# Altium PCB MB1397.PcbDoc (part 7 of 11)
Units mm, origin at the board's own origin, x right, y up, seen from the top; angles counter-clockwise.
Board outline 118.24 x 172.86 mm, 6 copper layers (Top Layer, L2_GND, L3_VCC, L4_SIG, L5_GND, Bottom Layer), stack 1.631 mm thick; 819 components, 632 nets, 2875 pads, 1523 vias.
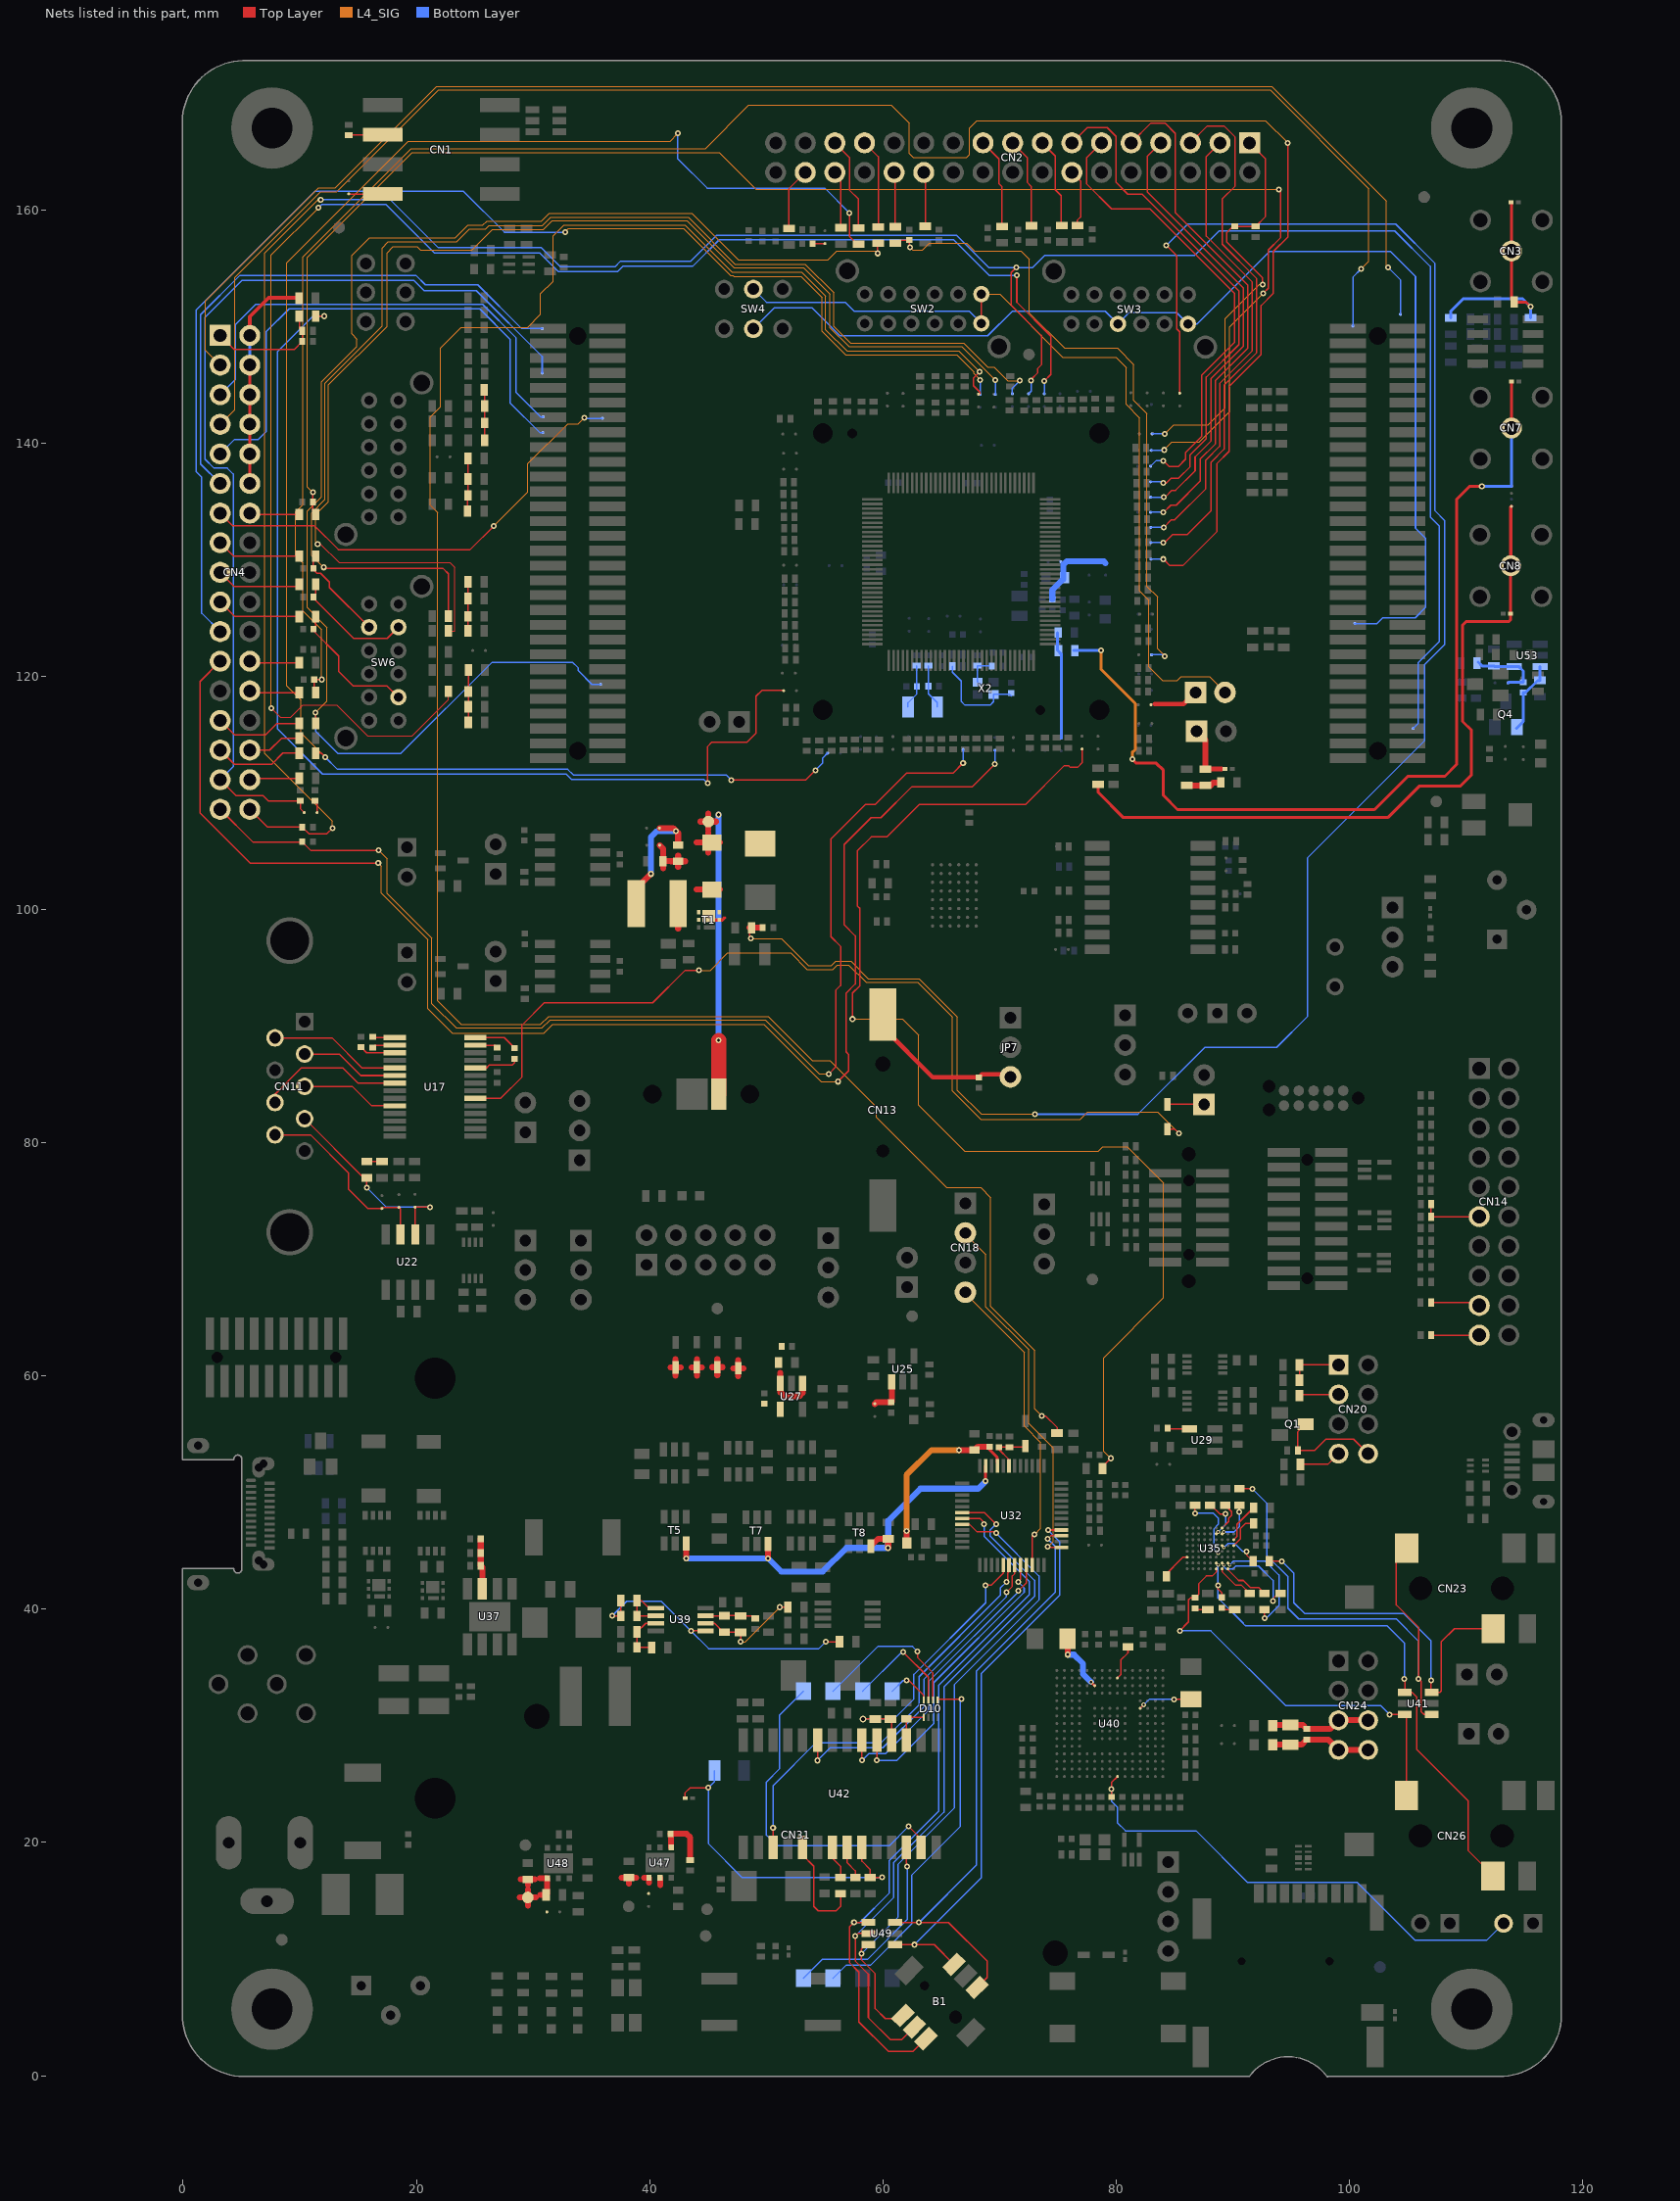
[diagram p11: the nets of this part, all layers, seen from the top]

## Via types
v1: diameter 0.508, hole 0.254, Top Layer to Bottom Layer, tented both sides, 1330 vias
v2: diameter 0.406, hole 0.203, Top Layer to Bottom Layer, tented both sides, 115 vias
v3: diameter 0.508, hole 0.254, Top Layer to Bottom Layer, 33 vias
v4: diameter 0.305, hole 0.152, Top Layer to Bottom Layer, tented both sides, 26 vias
v5: diameter 0.61, hole 0.305, Top Layer to Bottom Layer, tented both sides, 14 vias
v6: diameter 0.61, hole 0.33, Top Layer to Bottom Layer, tented both sides, 2 vias
v7: diameter 0.381, hole 0.203, Top Layer to Bottom Layer, tented both sides, 2 vias
v8: diameter 0.508, hole 0.203, Top Layer to Bottom Layer, tented both sides, 1 vias

## Nets (pads, with @x,y where several pads share a name; then routed paths per layer and width w, separated by ;. In a path a pad name is that pad's centre, name@x,y a point inside that pad or via, vN(x,y) a via of type N, cw(c..) or ccw(c..) an arc to the next point about the centre after c; other vN are vias at no path point) (continued)
MC1_MC2_PFCpwm: R11.1 R151.1 SB118.1 | length 149.8
  Top Layer w0.127: R151.1@11.36,113.41 11.834,113.408 v1(12.164,113.078) ; v1(47.013,111.097) 53.363,111.097 v1(54.201,111.935) ; v1(57.122,159.713) 57.122,157.716 R11.1@57.884,156.954
  L4_SIG w0.102: v1(12.164,113.078) 10.107,115.136 10.107,117.955 8.887,119.174 8.887,155.471 19.301,165.885 41.755,165.885 v1(42.415,166.545)
  Bottom Layer w0.127: v1(12.164,113.078) 13.221,112.022 32.977,112.022 33.47,111.529 46.581,111.529 v1(47.013,111.097) ; v1(42.415,166.545) 42.415,164.361 44.93,161.846 55.014,161.846 57.122,159.738 v1(57.122,159.713) ; v1(54.201,111.935) 54.836,112.57 54.836,112.994 SB118.1@55.253,113.411
MC1_MC2_PFCsync: R8.1 R126.1 SB103.1 | length 123.5
  Top Layer w0.127: R126.1@11.36,115.951 v1(11.359,116.888) ; v1(59.535,156.253) R8.1@59.535,156.954
  L4_SIG w0.102: v1(11.359,116.888) 12.339,117.869 12.339,124.181 10.64,125.88 10.64,134.16 11.859,135.38 11.859,145.24 14.91,148.29 14.91,148.92 14.45,149.38 14.45,156.069 15.961,157.579 23.315,157.579 24.407,158.671 25.702,158.671 26.058,159.027 30.706,159.027 31.392,159.713 43.609,159.713 47.61,155.712 55.306,155.712 56.055,156.461 59.327,156.461 v1(59.535,156.253)
  Bottom Layer w0.127: v1(11.359,116.888) 11.359,115.28 13.266,113.373 18.656,113.373 26.49,121.206 33.373,121.206 33.881,120.698 33.881,120.47 35.047,119.304 SB103.1@35.796,119.304
MC1_PWM_1H: CN2.3 SB78.1 | length 39.5
  Top Layer w0.127: v1(84.071,132.766) 84.704,133.398 85.011,133.398 87.678,136.065 87.678,138.529 88.872,139.723 88.872,145.113 91.666,147.907 91.666,153.794 87.729,157.731 87.729,164.564 CN2.3@88.9,165.735
  Bottom Layer w0.127: SB78.1@82.967,132.766 v1(84.071,132.766)
MC1_PWM_1L: CN2.5 SB79.1 | length 46.5
  Top Layer w0.127: v1(84.046,131.47) 84.15,131.47 84.808,132.128 86.078,132.128 88.135,134.186 88.135,138.351 89.253,139.469 89.253,144.955 92.047,147.749 92.047,154.099 89.101,157.046 89.101,160.932 90.206,162.037 90.206,166.228 89.253,167.18 87.805,167.18 CN2.5@86.36,165.735
  Bottom Layer w0.127: SB79.1@82.967,131.47 v1(84.046,131.47)
MC1_PWM_2H: CN2.7 SB76.1 | length 38.5
  Top Layer w0.127: CN2.7@83.82,165.735 82.649,164.564 82.649,161.541 90.904,153.286 90.904,148.288 88.11,145.494 88.11,140.155 86.764,138.808 86.764,137.615 85.087,135.938 84.775,135.938 84.191,135.357 v1(84.074,135.357)
  Bottom Layer w0.127: SB76.1@82.95,135.357 SB76.1@82.95,135.357 v1(84.074,135.357)
MC1_PWM_2L: CN2.9 SB77.1 | length 44.3
  Top Layer w0.127: CN2.9@81.28,165.735 82.979,167.434 84.173,167.434 85.062,166.545 85.062,159.763 91.285,153.54 91.285,148.13 88.491,145.336 88.491,139.901 87.196,138.605 87.196,136.726 85.138,134.668 84.681,134.668 84.074,134.061 v1(84.021,134.061)
  Bottom Layer w0.127: SB77.1@82.949,134.061 v1(84.021,134.061)
MC1_PWM_3H: CN2.11 SB73.1 | length 40.3
  Top Layer w0.127: CN2.11@78.74,165.735 77.442,164.437 77.442,162.227 79.601,160.068 82.903,160.068 90.142,152.829 90.142,148.638 87.348,145.844 87.348,140.586 85.951,139.189 85.951,138.605 85.316,137.97 84.552,137.97 v1(84.046,138.478)
  Bottom Layer w0.127: SB73.1@82.949,138.016 83.414,138.478 v1(84.046,138.478)
MC1_PWM_3L: CN2.13 SB74.1 | length 43.8
  Top Layer w0.127: CN2.13@76.2,165.735 77.518,167.053 79.22,167.053 79.982,166.291 79.982,162.354 80.998,161.338 82.217,161.338 90.523,153.032 90.523,148.445 87.729,145.651 87.729,140.383 86.332,138.986 86.332,137.97 85.354,136.992 84.719,136.992 84.3,136.573 v1(84.046,136.573)
  Bottom Layer w0.127: SB74.1@82.945,136.679 83.942,136.677 v1(84.046,136.573)
MC1_STOP: C1.2 CN2.1 R9.1 SB69.1 | length 35.8
  Top Layer w0.127: CN2.1@91.44,165.735 92.809,164.363 92.809,159.428 R9.1@91.945,158.565 89.992,158.565 89.482,158.054 89.482,157.223 92.555,154.15 v1(92.555,153.591)
  L4_SIG w0.102: v1(84.173,140.787) 84.938,141.552 87.881,141.552 89.355,143.025 89.355,150.67 92.276,153.591 v1(92.555,153.591)
  Bottom Layer w0.127: SB69.1@83.078,140.788 v1(84.173,140.787)
MC1_Temp: C5.2 R7.2 SB100.1 | length 55.9
  Top Layer w0.127: R7.2@61.059,156.957 61.159,157.056 61.498,157.394 C5.2@62.27,157.395 62.271,156.817 v1(62.329,156.759)
  L4_SIG w0.102: v1(62.329,156.759) 62.55,156.538 63.396,156.538 63.98,157.122 67.183,157.122 67.843,156.461 71.854,156.461 72.565,155.75 72.565,151.127 75.562,148.13 80.109,148.13 81.506,146.733 81.506,143.634 82.624,142.517 82.624,127.709 83.538,126.794 83.538,122.347 v1(84.173,121.714)
  Bottom Layer w0.127: SB100.1@83.022,121.841 84.049,121.841 v1(84.173,121.714)
MC2_Ain: R103.2 SB60.1 | length 108.3
  Top Layer w0.102: v1(11.529,131.343) 11.76,131.343 13.36,129.743 22.875,129.743 23.298,129.32 23.298,123.879 R103.2@22.751,123.879
  L4_SIG w0.102: v1(11.529,131.343) 11.368,131.504 11.368,133.875 12.464,134.971 12.464,144.984 17.475,149.996 17.475,156.312 18.006,156.842 20.069,156.842 20.345,156.566 24.762,156.566 26.502,158.306 30.899,158.306 31.646,159.052 43.183,159.052 47.206,155.029 53.2,155.029 55.471,152.758 55.471,149.863 57.076,148.257 66.774,148.257 69.06,145.971 69.06,145.969 v1(69.642,145.39)
  Bottom Layer w0.127: SB60.1@69.642,144.178 v1(69.642,145.39)
MC2_Bin: R99.2 SB59.1 | length 109.5
  Top Layer w0.127: v1(12.037,129.334) 12.139,129.233 22.299,129.233 22.751,128.781 R99.2@22.751,125.166
  L4_SIG w0.102: v1(12.037,129.334) 11.021,130.35 11.021,134.01 12.162,135.151 12.162,145.115 17.069,150.022 17.069,156.721 17.596,157.249 23.442,157.249 24.559,158.366 25.931,158.366 26.223,158.659 30.82,158.659 31.519,159.357 43.31,159.357 47.323,155.344 53.317,155.344 55.776,152.885 55.776,149.99 57.203,148.562 66.901,148.562 68.958,146.505 69.543,146.505 70.711,145.336 v1(71.727,145.336)
  Bottom Layer w0.127: SB59.1@71.096,144.216 71.095,144.706 v1(71.727,145.336)
MC2_BusVoltage: C22.1 R77.2 SB72.1 | length 139.7
  Top Layer w0.127: v1(11.118,135.76) 11.118,134.107 R77.2@11.36,133.866 ; v1(92.606,152.829) 93.038,153.261 93.038,156.538 94.079,157.579 94.079,161.618 v1(93.952,161.745)
  L4_SIG w0.102: v1(11.118,135.76) 10.64,136.238 10.64,155.903 19.632,164.894 45.946,164.894 49.096,161.745 v1(93.952,161.745) ; v1(84.112,139.41) 84.78,140.078 87.119,140.078 89.71,142.669 89.71,149.934 v1(92.606,152.829)
  Bottom Layer w0.127: SB72.1@82.999,139.37 84.071,139.37 v1(84.112,139.41)
MC2_Cin: R119.2 SB57.1 | length 140
  Top Layer w0.102: v1(7.544,117.272) 8.331,116.484 9.205,116.484 10.271,117.551 13.162,117.551 15.829,114.884 19.634,114.884 22.751,118.001 R119.2@22.751,118.707
  Top Layer w0.127: v1(71.478,154.381) 71.478,152.062 74.394,149.146 74.394,145.872 v1(73.83,145.308)
  L4_SIG w0.102: v1(7.544,117.272) 7.544,156.108 v1(11.605,160.17)
  Bottom Layer w0.127: v1(11.605,160.17) 11.872,160.437 17.409,160.437 21.562,156.284 30.592,156.284 32.192,154.683 37.234,154.683 37.691,155.141 43.685,155.141 45.971,157.427 66.063,157.427 69.108,154.381 v1(71.478,154.381) ; SB57.1@73.831,144.216 v1(73.83,145.308)
MC2_CurrentA+: C23.2 R86.1 SW6.8 | length 8.4
  Top Layer w0.127: R86.1@11.36,130.302 11.135,130.076 11.135,129.159 11.466,128.826 11.783,128.826 12.545,128.064 12.545,127.607 SW6.8@15.951,124.202
MC2_CurrentB+: C24.2 R92.1 SW6.5 | length 10.4
  Top Layer w0.127: R92.1@11.36,127.889 11.359,126.97 11.135,126.746 11.135,126.721 14.615,123.238 17.488,123.238 SW6.5@18.451,124.202
MC2_CurrentC+: C26.2 R100.1 SW6.2 | length 11.8
  Top Layer w0.127: R100.1@11.36,125.103 11.359,124.27 11.15,124.063 11.09,124.003 11.09,123.977 13.332,121.735 13.332,120.419 14.577,119.174 17.478,119.174 SW6.2@18.451,118.202
MC2_DissipativeBrake: CN4.23 SB112.1 | length 121.9
  Top Layer w0.127: CN4.23@3.175,121.285 1.445,119.555 1.445,108.278 5.738,103.985 v1(16.736,103.985) ; v1(56.131,85.24) 57.059,86.167 57.059,87.579 56.843,87.795 56.843,92.829 57.63,93.616 57.63,97.737 56.67,98.697 56.67,105.559 58.982,107.871 59.817,107.871 62.484,110.538 67.673,110.538 v1(69.604,112.469)
  L4_SIG w0.102: v1(16.736,103.985) 16.99,103.731 16.99,101.42 20.978,97.432 20.978,91.488 23.061,89.405 30.935,89.405 31.671,90.142 49.807,90.142 54.709,85.24 v1(56.131,85.24)
  Bottom Layer w0.127: v1(69.604,112.469) SB112.1@69.604,113.657
MC2_EnA: C37.2 CN4.31 SB32.1 SB52.1 | length 84.9
  Top Layer w0.127: CN4.31@3.175,111.125 4.521,109.776 6.83,109.776 7.285,109.322 C37.2@10.044,109.323 10.043,108.651 SB32.1@10.385,108.312
  Bottom Layer w0.127: CN4.31@3.175,111.125 4.29,112.24 4.29,137.335 3.782,137.843 2.639,137.843 1.877,138.605 1.877,150.772 5.052,153.947 19.784,153.947 20.673,153.058 25.143,153.058 30.785,147.417 SB52.1@30.785,145.999
MC2_EnB: C42.2 CN4.33 SB108.1 | length 103.3
  Top Layer w0.127: CN4.33@3.175,108.585 5.969,105.791 10.218,105.791 10.93,105.077 v1(16.761,105.077) ; v1(55.344,85.9) 55.979,86.535 55.979,93.109 56.36,93.49 56.36,96.843 55.535,97.668 55.535,106.041 58.508,109.014 59.342,109.014 62.009,111.681 65.989,111.681 v1(66.878,112.57)
  L4_SIG w0.102: v1(16.761,105.077) 17.498,104.341 17.498,101.369 21.333,97.533 21.333,91.925 23.421,89.837 30.782,89.837 31.468,90.523 49.908,90.523 54.531,85.9 v1(55.344,85.9)
  Bottom Layer w0.127: v1(66.878,112.57) SB108.1@66.878,113.715
MC2_EnIndex: C39.2 CN4.34 SB58.1 SB106.1 | length 222.3
  Top Layer w0.127: CN4.34@5.715,108.585 7.239,107.058 C39.2@10.218,107.06 10.787,106.487 12.304,106.487 v1(12.799,106.982) ; v1(71.422,155.039) 70.99,154.607 70.99,151.813 73.581,149.222 73.581,146.708 73.276,146.403 73.276,146.022 72.707,145.453 v1(72.707,145.362)
  L4_SIG w0.102: v1(11.783,160.856) 11.58,160.856 7.008,156.284 7.008,113.373 12.799,107.582 v1(12.799,106.982)
  Bottom Layer w0.127: v1(11.783,160.856) 17.777,160.856 21.892,156.741 30.721,156.741 32.347,155.115 37.031,155.115 37.513,155.598 43.533,155.598 45.743,157.808 66.317,157.808 69.085,155.039 v1(71.422,155.039) 72.819,155.039 73.848,156.068 74.325,156.068 74.338,156.08 86.713,156.08 88.821,158.189 103.883,158.189 106.931,155.141 106.931,133.652 107.693,132.89 107.693,122.979 105.89,121.176 105.89,115.946 SB106.1@105.465,115.521 ; SB58.1@72.479,144.216 72.631,144.366 72.707,144.445 v1(72.707,145.362)
MC2_ICL_SHUTOUT: CN4.21 SB61.1 | length 109.8
  L4_SIG w0.102: v1(32.741,158.073) 33.043,158.375 42.89,158.375 46.911,154.353 47.14,154.353 47.216,154.277 52.982,154.277 54.785,152.474 54.785,149.578 56.792,147.571 66.317,147.571 67.79,146.098 67.79,145.946 v1(68.331,145.407)
  Bottom Layer w0.127: CN4.21@3.175,123.825 1.598,125.4 1.598,137.056 1.115,137.538 1.115,151.407 11.3,161.592 24.026,161.592 27.546,158.073 v1(32.741,158.073) ; SB61.1@68.329,144.175 68.331,144.175 v1(68.331,145.407)
MC2_PWM_1H: CN4.3 SB49.1 | length 129.1
  L4_SIG w0.102: CN4.3@3.175,146.685 1.928,147.93 1.928,152.194 11.605,161.872 13.028,161.872 21.74,170.584 93.317,170.584 103.172,160.729 103.172,155.191 v1(103.299,155.064)
  Bottom Layer w0.127: v1(103.299,155.064) 104.366,153.998 SB49.1@104.366,151.044
MC2_PWM_1L: CN4.5 SB64.1 | length 40.4
  Bottom Layer w0.127: CN4.5@3.175,144.145 4.493,145.463 4.493,150.162 6.22,151.889 25.677,151.889 28.547,149.019 28.547,144.32 30.63,142.24 SB64.1@30.871,142.24
MC2_PWM_2H: CN4.7 SB50.1 | length 132.9
  L4_SIG w0.102: CN4.7@3.175,141.605 4.417,142.847 4.417,154.175 11.796,161.554 13.167,161.554 21.892,170.279 93.19,170.279 101.671,161.798 101.671,155.595 v1(100.988,154.912)
  Bottom Layer w0.127: SB50.1@100.295,150.035 100.294,154.219 v1(100.988,154.912)
MC2_PWM_2L: CN4.9 SB68.1 | length 45.4
  Bottom Layer w0.127: CN4.9@3.175,139.065 4.417,140.307 6.449,140.307 7.109,140.967 7.109,149.527 9.091,151.508 25.423,151.508 28.039,148.892 28.039,143.431 30.579,140.891 SB68.1@30.843,140.891
MC2_PWM_3H: CN4.11 SB51.1 | length 47.8
  Bottom Layer w0.127: CN4.11@3.175,136.525 1.496,138.201 1.496,151 4.874,154.379 19.962,154.379 20.775,153.566 25.27,153.566 29.027,149.809 SB51.1@30.785,149.811
MC2_PWM_3L: CN4.13 SB66.1 | length 40.2
  Top Layer w0.127: CN4.13@3.175,133.985 4.267,132.89 11.275,132.89 13.307,130.858 24.61,130.858 v1(26.642,132.89)
  L4_SIG w0.102: v1(26.642,132.89) 29.563,135.811 29.563,138.224 32.992,141.653 33.881,141.653 v1(34.389,142.161)
  Bottom Layer w0.127: v1(34.389,142.161) 34.437,142.113 SB66.1@35.948,142.113
MC2_STOP: R21.1 SB23.1 | length 90.7
  Top Layer w0.127: R21.1@11.36,150.876 v1(12.113,150.876) ; v1(44.968,110.818) 44.968,113.98 45.339,114.351 48.362,114.351 49.121,115.11 49.121,118.285 49.629,118.793 SB23.1@51.415,118.793
  Bottom Layer w0.127: v1(12.113,150.876) 11.123,150.876 8.1,147.853 8.1,115.466 11.948,111.618 32.84,111.618 33.31,111.148 44.638,111.148 v1(44.968,110.818)
MC2_Temp: C31.2 R120.2 SB83.1 | length 178.8
  Top Layer w0.127: R120.2@11.36,118.603 11.234,118.727 C31.2@11.235,119.717 v1(11.869,119.715) ; v1(84.046,130.045) 84.602,129.487 85.722,129.487 88.618,132.382 88.618,138.224 89.685,139.291 89.685,144.849 92.428,147.592 92.428,151.788 93.469,152.829 93.469,156.411 94.714,157.655 v1(94.714,165.732)
  L4_SIG w0.102: v1(11.869,119.715) 11.869,123.99 10.259,125.6 10.259,129.715 9.624,130.35 9.624,134.08 10.259,134.715 10.259,155.953 19.548,165.242 44.773,165.242 48.486,168.958 60.703,168.958 62.253,167.409 62.253,164.818 62.608,164.462 67.155,164.462 67.434,164.742 67.434,167.002 68.069,167.637 92.809,167.637 v1(94.714,165.732)
  Bottom Layer w0.127: SB83.1@82.979,130.046 v1(84.046,130.045)
MC_DAC_OUT1: SB93.1 SW3.3 SW3.6 SW4.2 | length 99.5
  Bottom Layer w0.127: SW4.2@48.889,149.792 SW4.2@48.889,149.792 50.709,151.61 53.896,151.61 56.309,149.197 68.984,149.197 71.092,151.305 79.063,151.305 SW3.3@80.146,150.222 SW3.3@80.146,150.222 81.105,151.178 85.189,151.178 SW3.6@86.146,150.222 86.949,150.221 93.139,156.411 103.528,156.411 105.661,154.277 105.661,132.687 106.525,131.823 106.525,125.905 105.636,125.016 102.842,125.016 102.337,124.511 100.421,124.511 SB93.1@100.421,124.508
MC_DAC_OUT2: CN32.1 SB24.1 | length 3.9
  Top Layer w0.381: 83.307,117.602 85.781,117.602 CN32.1@86.792,118.613
MFX_aGPIO1: R241.1 T5.3 T7.3 T8.3 U32.11 | length 37
  Top Layer w0.254: v1(68.806,50.975) U32.11@68.807,52.292
  Top Layer w0.508: v1(43.134,44.371) T5.3@43.134,45.613 ; v1(50.15,44.359) T7.3@50.15,45.585 ; T8.3@58.951,45.409 59.578,46.035 R241.1@60.456,46.037 60.455,45.291 v1(60.424,45.26)
  Bottom Layer w0.508: v1(43.134,44.371) 43.147,44.359 v1(50.15,44.359) 51.28,43.228 54.836,43.228 56.868,45.26 v1(60.424,45.26) 60.455,45.291 60.455,47.577 63.218,50.34 68.171,50.34 v1(68.806,50.975)
MFX_IRQ_OUT: R232.1 SB26.1 | length 101.9
  Top Layer w0.127: v1(57.389,90.612) 57.389,92.836 58.011,93.459 58.011,100.097 57.81,100.298 57.81,105.031 59,106.22 60.328,106.22 63.122,109.014 72.235,109.014 75.557,112.337 75.903,112.337 76.05,112.189 76.68,112.189 77.064,112.573 SB26.1@77.064,113.759 ; R232.1@78.829,52.063 78.829,52.235 v1(79.538,52.944)
  L4_SIG w0.102: v1(57.389,90.612) 57.401,90.599 61.665,90.599 63.053,89.211 63.053,83.221 67.003,79.271 78.456,79.271 78.842,79.657 80.942,79.657 84.071,76.528 84.071,66.698 78.941,61.567 78.941,53.541 v1(79.538,52.944)
MFX_JOY_DOWN: B1.3 U32.19 U49.4 | length 62
  Top Layer w0.127: U49.4@58.749,13.142 v1(57.516,13.142) 57.122,12.748 57.122,9.7 57.935,8.887 57.935,4.616 60.471,2.08 62.581,2.08 B1.3@63.687,3.188 B1.3@63.688,3.188 ; U32.19@66.807,47.792 68.308,47.79 68.679,47.419 v1(68.679,47.292)
  Bottom Layer w0.127: v1(57.516,13.142) 58.024,13.142 60.551,15.669 60.551,18.463 64.771,22.683 64.771,33.478 72.553,41.26 72.553,42.372 68.679,46.246 v1(68.679,47.292)
MFX_JOY_LEFT: B1.1 U32.20 U49.6 | length 56.3
  Top Layer w0.127: U49.6@58.749,11.242 58.534,11.242 58.163,10.869 v1(58.163,10.462) 58.163,9.929 59.337,8.755 59.337,5.763 60.198,4.902 61.441,4.902 B1.1@61.707,5.168 ; U32.20@66.807,47.292 66.807,47.292 67.412,47.292 68.044,46.657 69.568,46.657 v1(69.695,46.53)
  Bottom Layer w0.127: v1(58.163,10.462) 61.313,13.612 61.313,18.148 66.142,22.977 66.142,33.553 73.378,40.79 73.378,42.847 v1(69.695,46.53)
MFX_JOY_RIGHT: B1.6 U32.39 U49.3 | length 51.1
  Top Layer w0.127: U49.3@61.049,13.142 v1(63.091,13.142) 65.618,13.142 68.933,9.827 68.933,8.433 B1.6@68.071,7.572 B1.6@68.071,7.572 B1.6@68.072,7.572 ; v1(74.14,46.022) 74.409,46.292 U32.39@75.307,46.292
  Bottom Layer w0.127: v1(63.091,13.142) 68.021,18.072 68.021,34.696 74.775,41.45 74.775,45.387 v1(74.14,46.022)
MFX_JOY_SEL: B1.2 U32.18 U49.5 | length 60.6
  Top Layer w0.127: U49.5@58.749,12.192 57.836,12.192 v1(57.63,11.986) 57.63,9.827 58.753,8.705 58.753,4.976 60.632,3.096 61.615,3.096 B1.2@62.697,4.178 ; U32.18@66.807,48.292 68.697,48.29 v1(69.695,47.292)
  Bottom Layer w0.127: v1(57.63,11.986) 60.932,15.288 60.932,18.306 65.227,22.601 65.227,33.325 72.997,41.095 72.997,42.466 69.187,46.276 69.187,46.784 v1(69.695,47.292)
MFX_JOY_UP: B1.4 U32.40 U49.1 | length 48
  Top Layer w0.127: U49.1@61.049,11.242 v1(62.71,11.242) 64.402,11.242 B1.4@66.09,9.551 ; B1.4@66.091,9.552 B1.4@66.091,9.553 ; v1(74.148,46.792) U32.40@75.307,46.792
  Bottom Layer w0.127: v1(62.71,11.242) 68.441,16.973 68.441,34.481 75.156,41.196 75.156,45.781 v1(74.148,46.792)
MFX_SmartCard_1V8: R275.1 R276.2 U32.29 U42.18 | length 24.2
  Top Layer w0.127: v5(58.288,30.587) R275.1@59.336,30.587 R276.2@60.657,30.587 ; R276.2@60.657,30.587 60.744,30.5 60.744,28.763 U42.18@60.743,28.765 ; v1(68.806,42.06) 68.831,42.085 69.314,42.085 70.307,43.078 U32.29@70.307,43.79
  Bottom Layer w0.127: v5(58.288,30.587) 60.94,30.587 62.649,32.296 62.649,34.404 68.806,40.561 v1(68.806,42.06)
MFX_SmartCard_3/5V: U32.30 U42.3 | length 35.9
  Top Layer w0.127: U42.3@50.583,19.585 50.584,19.583 v1(50.584,21.257) ; v1(70.584,42.339) 70.711,42.466 70.711,43.101 70.805,43.195 U32.30@70.805,43.79
  Bottom Layer w0.127: v1(50.584,21.257) 50.584,24.879 54.266,28.562 59.854,28.562 63.094,31.801 63.094,34.214 70.076,41.196 70.076,41.831 v1(70.584,42.339)
MFX_SmartCard_CMDVCC: U32.32 U42.19 | length 25
  Top Layer w0.127: v1(59.474,27.038) U42.19@59.474,28.763 ; v1(71.6,42.339) 71.806,42.545 U32.32@71.806,43.79
  Bottom Layer w0.127: v1(59.474,27.038) 61.192,27.038 64.364,30.21 64.364,33.706 72.108,41.45 72.108,41.831 v1(71.6,42.339)
MFX_SmartCard_OFF: U32.31 U42.23 | length 28.1
  Top Layer w0.127: U42.23@54.393,28.765 54.394,28.763 v1(54.394,27.033) ; v1(70.584,41.45) 71.092,41.958 71.092,42.847 71.305,43.061 U32.31@71.305,43.79
  Bottom Layer w0.127: v1(54.394,27.033) 55.476,28.118 59.997,28.118 63.536,31.656 63.536,34.021 70.584,41.069 v1(70.584,41.45)
MFX_SmartCard_RST: U32.33 U42.20 | length 25.2
  Top Layer w0.127: U42.20@58.203,28.765 58.204,28.763 v1(58.204,27.038) ; v1(71.6,41.577) 72.306,42.283 U32.33@72.306,43.79
  Bottom Layer w0.127: v1(58.204,27.038) 58.776,27.61 60.201,27.61 63.929,31.339 63.929,33.81 71.6,41.481 v1(71.6,41.577)